# KiCad board ShinyAddOn_panel_2.kicad_pcb (continued)
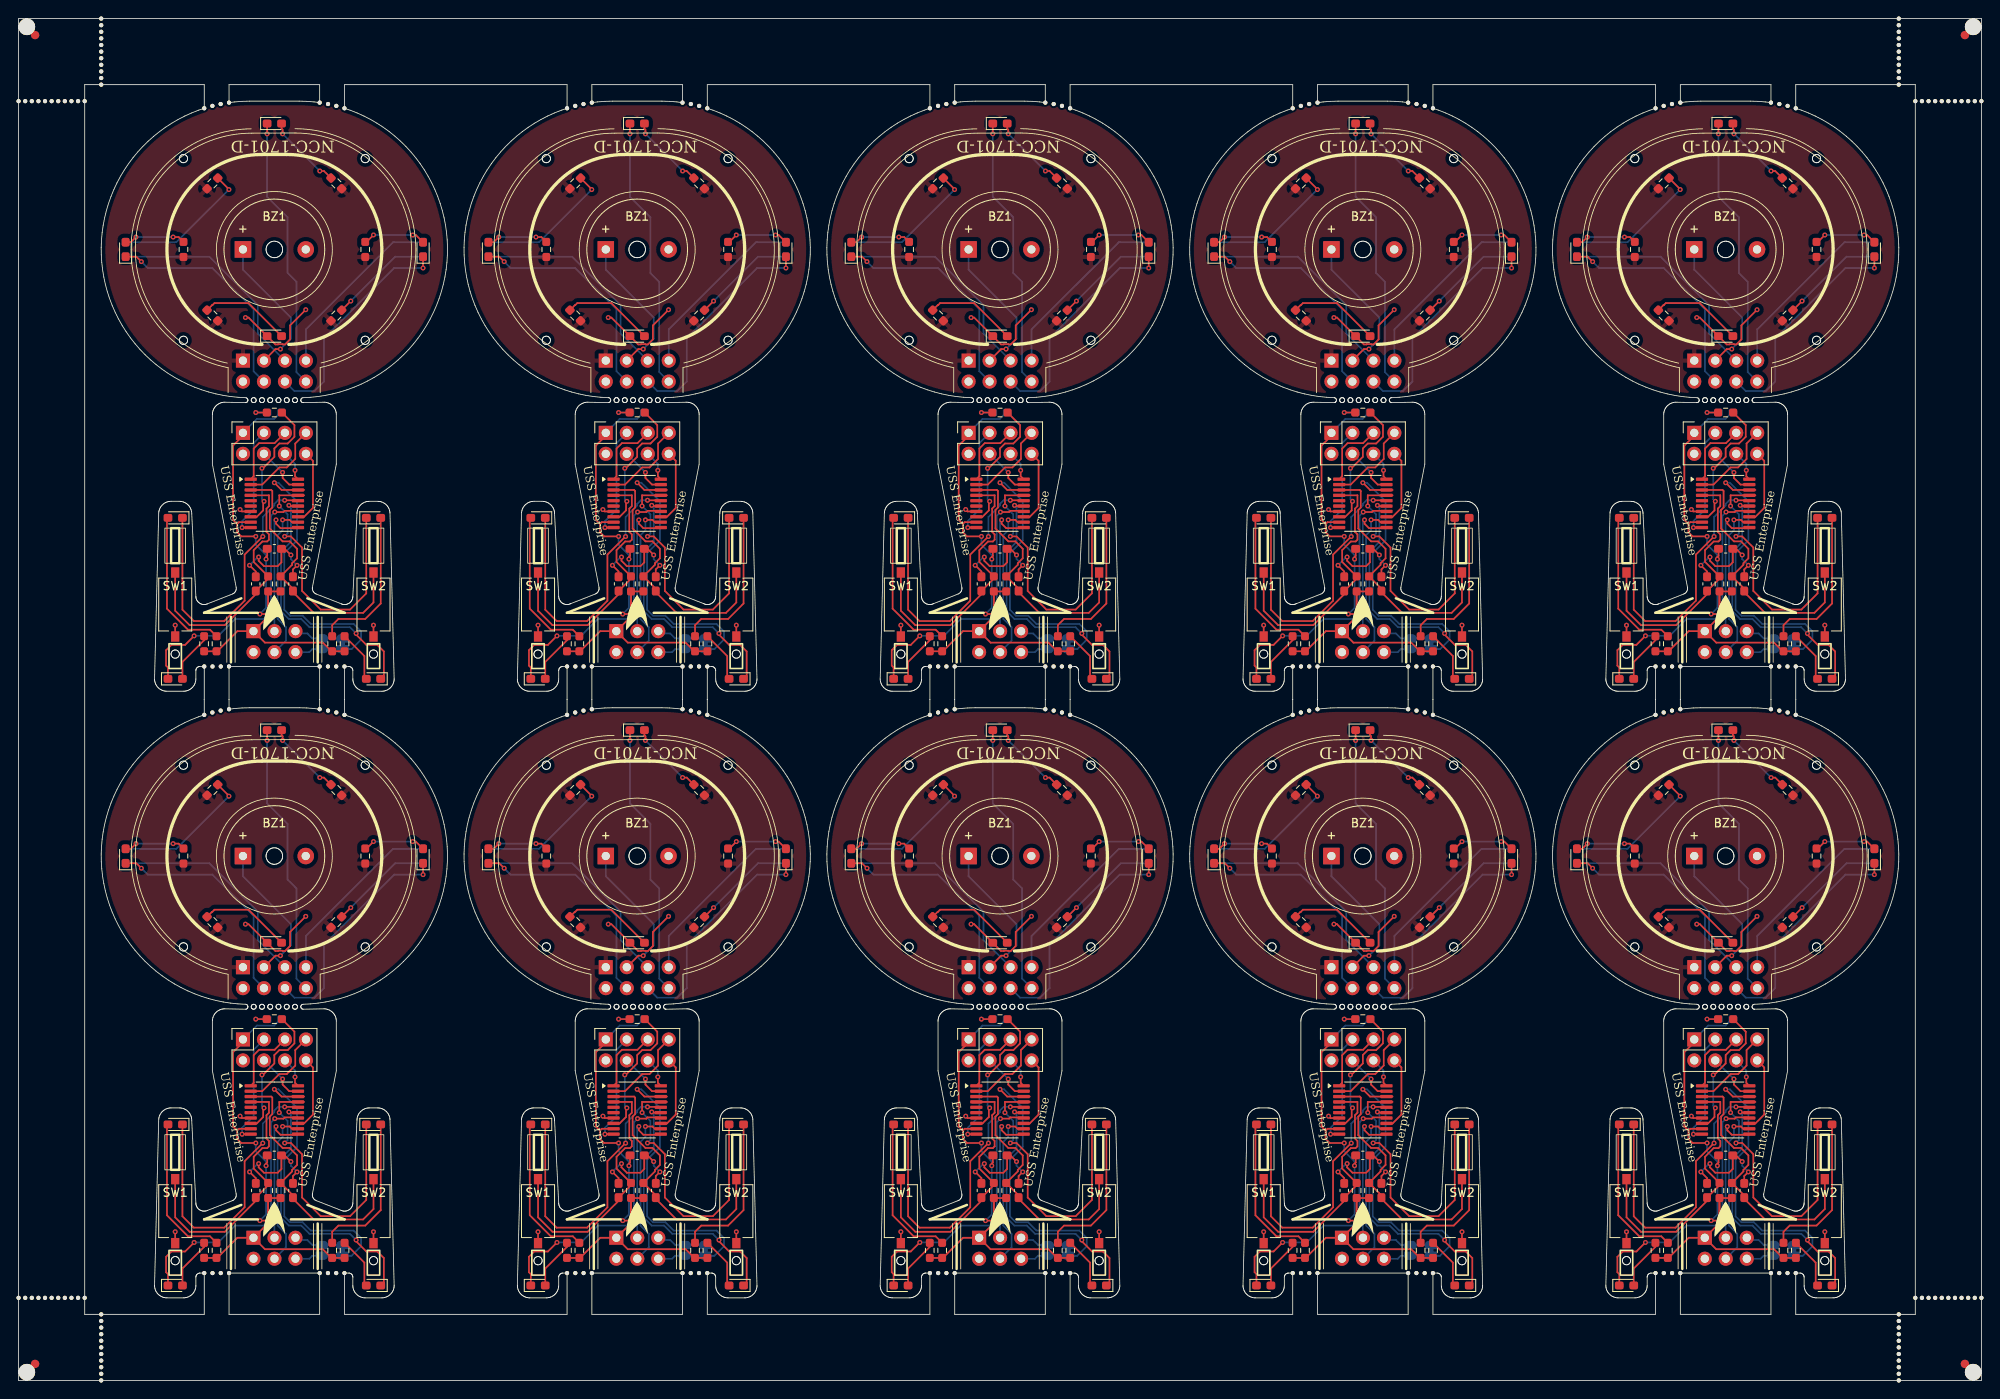
[diagram p0: board, top side]
## Nets (continued)
Board_3-/sw2: C2#2.1 R8#9.2 SW2.1 U1#3.3
Board_3-GND: BZ1#7.2 C1#4.2 C2#2.2 C3#2.2 D1#6.1 J1#2.2 J4#5.2 J5#4.2 SW1#2.2 SW2.2 U1#3.7
Board_3-Net-(D1-A): D1#6.2 R1#6.2
Board_3-Net-(D2-K): D2#6.1 R2#10.1
Board_3-Net-(D3-A): D3#7.2 R3#8.2
Board_3-Net-(D4-A): D4#2.2 R4#8.2
Board_3-Net-(D5-A): D5#6.2 R5#2.2
Board_3-Net-(D6-A): D6#5.2 R6#4.2
Board_3-Net-(D7-A): D7#5.2 R7#3.2
Board_3-Net-(D8-A): D8#4.2 R10#8.2
Board_3-Net-(D9-A): D9#9.2 R11#7.2
Board_3-Net-(D10-A): D10#4.2 R12#8.2
Board_3-Net-(D11-A): D11#4.2 R13#7.2
Board_3-Net-(JP1-B): JP1#10.2 U1#3.18
Board_3-Net-(U1-PD0): R2#10.2 U1#3.8
Board_3-unconnected-(U1-PA1-Pad5): U1#3.5
Board_3-unconnected-(U1-PA2-Pad6): U1#3.6
Board_3-VCC: C3#2.1 D2#6.2 J1#2.1 J4#5.1 J5#4.1 R1#6.1 R3#8.1 R4#8.1 R5#2.1 R6#4.1 R7#3.1 R8#9.1 R9#5.1 R10#8.1 R11#7.1 R12#8.1 R13#7.1 U1#3.9
Board_4-/blue gondeln left: D4#4.1 U1.14
Board_4-/blue gondeln right: D3#4.1 U1.15
Board_4-/blue_front: D5.1 J1#5.8 J4#10.8 U1.13
Board_4-/buzzer: BZ1.1 J1#5.3 J4#10.3 U1.10
Board_4-/GPIO1: J3#10.2 J5#7.5 JP1#3.1
Board_4-/GPIO2: J3#10.1 J5#7.6
Board_4-/LED dish bottom l: D10#10.1 J1#5.5 J4#10.5 U1.1
Board_4-/LED dish bottom r: D11#3.1 J1#5.7 J4#10.7 U1.2
Board_4-/LED dish top left: D8.1 J1#5.4 J4#10.4 U1.19
Board_4-/LED dish top right: D9#6.1 J1#5.6 J4#10.6 U1.20
Board_4-/red_gondeln_left: D6#8.1 U1.16
Board_4-/red_gondeln_right: D7#8.1 U1.17
Board_4-/SCL: J5#7.4 U1.12
Board_4-/SDA: J5#7.3 U1.11
Board_4-/sw1: C1.1 R9#7.2 SW1#4.1 U1.4
Board_4-/sw2: C2#6.1 R8#4.2 SW2#5.1 U1.3
Board_4-GND: BZ1.2 C1.2 C2#6.2 C3#3.2 D1#9.1 J1#5.2 J4#10.2 J5#7.2 SW1#4.2 SW2#5.2 U1.7
Board_4-Net-(D1-A): D1#9.2 R1#4.2
Board_4-Net-(D2-K): D2#5.1 R2#4.1
Board_4-Net-(D3-A): D3#4.2 R3#7.2
Board_4-Net-(D4-A): D4#4.2 R4#4.2
Board_4-Net-(D5-A): D5.2 R5#4.2
Board_4-Net-(D6-A): D6#8.2 R6#8.2
Board_4-Net-(D7-A): D7#8.2 R7#10.2
Board_4-Net-(D8-A): D8.2 R10#6.2
Board_4-Net-(D9-A): D9#6.2 R11#2.2
Board_4-Net-(D10-A): D10#10.2 R12#3.2
Board_4-Net-(D11-A): D11#3.2 R13#6.2
Board_4-Net-(JP1-B): JP1#3.2 U1.18
Board_4-Net-(U1-PD0): R2#4.2 U1.8
Board_4-unconnected-(U1-PA1-Pad5): U1.5
Board_4-unconnected-(U1-PA2-Pad6): U1.6
Board_4-VCC: C3#3.1 D2#5.2 J1#5.1 J4#10.1 J5#7.1 R1#4.1 R3#7.1 R4#4.1 R5#4.1 R6#8.1 R7#10.1 R8#4.1 R9#7.1 R10#6.1 R11#2.1 R12#3.1 R13#6.1 U1.9
Board_5-/blue gondeln left: D4#9.1 U1#9.14
Board_5-/blue gondeln right: D3#6.1 U1#9.15
Board_5-/blue_front: D5#4.1 J1#10.8 J4.8 U1#9.13
Board_5-/buzzer: BZ1#4.1 J1#10.3 J4.3 U1#9.10
Board_5-/GPIO1: J3#9.2 J5#8.5 JP1#6.1
Board_5-/GPIO2: J3#9.1 J5#8.6
Board_5-/LED dish bottom l: D10#2.1 J1#10.5 J4.5 U1#9.1
Board_5-/LED dish bottom r: D11#8.1 J1#10.7 J4.7 U1#9.2
Board_5-/LED dish top left: D8#5.1 J1#10.4 J4.4 U1#9.19
Board_5-/LED dish top right: D9#2.1 J1#10.6 J4.6 U1#9.20
Board_5-/red_gondeln_left: D6#3.1 U1#9.16
Board_5-/red_gondeln_right: D7#7.1 U1#9.17
Board_5-/SCL: J5#8.4 U1#9.12
Board_5-/SDA: J5#8.3 U1#9.11
Board_5-/sw1: C1#8.1 R9#6.2 SW1#10.1 U1#9.4
Board_5-/sw2: C2#8.1 R8#2.2 SW2#4.1 U1#9.3
Board_5-GND: BZ1#4.2 C1#8.2 C2#8.2 C3#10.2 D1#2.1 J1#10.2 J4.2 J5#8.2 SW1#10.2 SW2#4.2 U1#9.7
Board_5-Net-(D1-A): D1#2.2 R1#8.2
Board_5-Net-(D2-K): D2#3.1 R2#3.1
Board_5-Net-(D3-A): D3#6.2 R3.2
Board_5-Net-(D4-A): D4#9.2 R4#5.2
Board_5-Net-(D5-A): D5#4.2 R5#3.2
Board_5-Net-(D6-A): D6#3.2 R6#6.2
Board_5-Net-(D7-A): D7#7.2 R7#9.2
Board_5-Net-(D8-A): D8#5.2 R10#9.2
Board_5-Net-(D9-A): D9#2.2 R11#4.2
Board_5-Net-(D10-A): D10#2.2 R12#2.2
Board_5-Net-(D11-A): D11#8.2 R13#8.2
Board_5-Net-(JP1-B): JP1#6.2 U1#9.18
Board_5-Net-(U1-PD0): R2#3.2 U1#9.8
Board_5-unconnected-(U1-PA1-Pad5): U1#9.5
Board_5-unconnected-(U1-PA2-Pad6): U1#9.6
Board_5-VCC: C3#10.1 D2#3.2 J1#10.1 J4.1 J5#8.1 R1#8.1 R3.1 R4#5.1 R5#3.1 R6#6.1 R7#9.1 R8#2.1 R9#6.1 R10#9.1 R11#4.1 R12#2.1 R13#8.1 U1#9.9
Board_6-/blue gondeln left: D4#7.1 U1#7.14
Board_6-/blue gondeln right: D3#2.1 U1#7.15
Board_6-/blue_front: D5#10.1 J1#8.8 J4#9.8 U1#7.13
Board_6-/buzzer: BZ1#10.1 J1#8.3 J4#9.3 U1#7.10
Board_6-/GPIO1: J3#7.2 J5#2.5 JP1#7.1
Board_6-/GPIO2: J3#7.1 J5#2.6
Board_6-/LED dish bottom l: D10#5.1 J1#8.5 J4#9.5 U1#7.1
Board_6-/LED dish bottom r: D11#10.1 J1#8.7 J4#9.7 U1#7.2
Board_6-/LED dish top left: D8#6.1 J1#8.4 J4#9.4 U1#7.19
Board_6-/LED dish top right: D9#8.1 J1#8.6 J4#9.6 U1#7.20
Board_6-/red_gondeln_left: D6#2.1 U1#7.16
Board_6-/red_gondeln_right: D7#6.1 U1#7.17
Board_6-/SCL: J5#2.4 U1#7.12
Board_6-/SDA: J5#2.3 U1#7.11
Board_6-/sw1: C1#9.1 R9#2.2 SW1.1 U1#7.4
Board_6-/sw2: C2#10.1 R8.2 SW2#9.1 U1#7.3
Board_6-GND: BZ1#10.2 C1#9.2 C2#10.2 C3#5.2 D1#3.1 J1#8.2 J4#9.2 J5#2.2 SW1.2 SW2#9.2 U1#7.7
Board_6-Net-(D1-A): D1#3.2 R1#2.2
Board_6-Net-(D2-K): D2#2.1 R2.1
Board_6-Net-(D3-A): D3#2.2 R3#4.2
Board_6-Net-(D4-A): D4#7.2 R4#10.2
Board_6-Net-(D5-A): D5#10.2 R5.2
Board_6-Net-(D6-A): D6#2.2 R6.2
Board_6-Net-(D7-A): D7#6.2 R7#6.2
Board_6-Net-(D8-A): D8#6.2 R10#10.2
Board_6-Net-(D9-A): D9#8.2 R11.2
Board_6-Net-(D10-A): D10#5.2 R12#4.2
Board_6-Net-(D11-A): D11#10.2 R13#3.2
Board_6-Net-(JP1-B): JP1#7.2 U1#7.18
Board_6-Net-(U1-PD0): R2.2 U1#7.8
Board_6-unconnected-(U1-PA1-Pad5): U1#7.5
Board_6-unconnected-(U1-PA2-Pad6): U1#7.6
Board_6-VCC: C3#5.1 D2#2.2 J1#8.1 J4#9.1 J5#2.1 R1#2.1 R3#4.1 R4#10.1 R5.1 R6.1 R7#6.1 R8.1 R9#2.1 R10#10.1 R11.1 R12#4.1 R13#3.1 U1#7.9
Board_7-/blue gondeln left: D4.1 U1#8.14
Board_7-/blue gondeln right: D3#5.1 U1#8.15
Board_7-/blue_front: D5#9.1 J1#3.8 J4#4.8 U1#8.13
Board_7-/buzzer: BZ1#8.1 J1#3.3 J4#4.3 U1#8.10
Board_7-/GPIO1: J3#3.2 J5.5 JP1#5.1
Board_7-/GPIO2: J3#3.1 J5.6
Board_7-/LED dish bottom l: D10#8.1 J1#3.5 J4#4.5 U1#8.1
Board_7-/LED dish bottom r: D11#6.1 J1#3.7 J4#4.7 U1#8.2
Board_7-/LED dish top left: D8#8.1 J1#3.4 J4#4.4 U1#8.19
Board_7-/LED dish top right: D9#4.1 J1#3.6 J4#4.6 U1#8.20
Board_7-/red_gondeln_left: D6#7.1 U1#8.16
Board_7-/red_gondeln_right: D7#10.1 U1#8.17
Board_7-/SCL: J5.4 U1#8.12
Board_7-/SDA: J5.3 U1#8.11
Board_7-/sw1: C1#7.1 R9#4.2 SW1#6.1 U1#8.4
Board_7-/sw2: C2#7.1 R8#5.2 SW2#6.1 U1#8.3
Board_7-GND: BZ1#8.2 C1#7.2 C2#7.2 C3#4.2 D1#4.1 J1#3.2 J4#4.2 J5.2 SW1#6.2 SW2#6.2 U1#8.7
Board_7-Net-(D1-A): D1#4.2 R1#3.2
Board_7-Net-(D2-K): D2#9.1 R2#5.1
Board_7-Net-(D3-A): D3#5.2 R3#3.2
Board_7-Net-(D4-A): D4.2 R4#3.2
Board_7-Net-(D5-A): D5#9.2 R5#9.2
Board_7-Net-(D6-A): D6#7.2 R6#7.2
Board_7-Net-(D7-A): D7#10.2 R7#2.2
Board_7-Net-(D8-A): D8#8.2 R10#4.2
Board_7-Net-(D9-A): D9#4.2 R11#8.2
Board_7-Net-(D10-A): D10#8.2 R12#7.2
Board_7-Net-(D11-A): D11#6.2 R13#9.2
Board_7-Net-(JP1-B): JP1#5.2 U1#8.18
Board_7-Net-(U1-PD0): R2#5.2 U1#8.8
Board_7-unconnected-(U1-PA1-Pad5): U1#8.5
Board_7-unconnected-(U1-PA2-Pad6): U1#8.6
Board_7-VCC: C3#4.1 D2#9.2 J1#3.1 J4#4.1 J5.1 R1#3.1 R3#3.1 R4#3.1 R5#9.1 R6#7.1 R7#2.1 R8#5.1 R9#4.1 R10#4.1 R11#8.1 R12#7.1 R13#9.1 U1#8.9
Board_8-/blue gondeln left: D4#3.1 U1#10.14
Board_8-/blue gondeln right: D3#9.1 U1#10.15
Board_8-/blue_front: D5#3.1 J1.8 J4#2.8 U1#10.13
Board_8-/buzzer: BZ1#9.1 J1.3 J4#2.3 U1#10.10
Board_8-/GPIO1: J3#6.2 J5#10.5 JP1#4.1
Board_8-/GPIO2: J3#6.1 J5#10.6
Board_8-/LED dish bottom l: D10#6.1 J1.5 J4#2.5 U1#10.1
Board_8-/LED dish bottom r: D11#9.1 J1.7 J4#2.7 U1#10.2
Board_8-/LED dish top left: D8#7.1 J1.4 J4#2.4 U1#10.19
Board_8-/LED dish top right: D9.1 J1.6 J4#2.6 U1#10.20
Board_8-/red_gondeln_left: D6#6.1 U1#10.16
Board_8-/red_gondeln_right: D7#2.1 U1#10.17
Board_8-/SCL: J5#10.4 U1#10.12
Board_8-/SDA: J5#10.3 U1#10.11
Board_8-/sw1: C1#3.1 R9#3.2 SW1#7.1 U1#10.4
Board_8-/sw2: C2#4.1 R8#10.2 SW2#7.1 U1#10.3
Board_8-GND: BZ1#9.2 C1#3.2 C2#4.2 C3#8.2 D1#10.1 J1.2 J4#2.2 J5#10.2 SW1#7.2 SW2#7.2 U1#10.7
Board_8-Net-(D1-A): D1#10.2 R1#9.2
Board_8-Net-(D2-K): D2#10.1 R2#6.1
Board_8-Net-(D3-A): D3#9.2 R3#9.2
Board_8-Net-(D4-A): D4#3.2 R4#7.2
Board_8-Net-(D5-A): D5#3.2 R5#8.2
Board_8-Net-(D6-A): D6#6.2 R6#2.2
Board_8-Net-(D7-A): D7#2.2 R7#4.2
Board_8-Net-(D8-A): D8#7.2 R10.2
Board_8-Net-(D9-A): D9.2 R11#5.2
Board_8-Net-(D10-A): D10#6.2 R12#10.2
Board_8-Net-(D11-A): D11#9.2 R13.2
Board_8-Net-(JP1-B): JP1#4.2 U1#10.18
Board_8-Net-(U1-PD0): R2#6.2 U1#10.8
Board_8-unconnected-(U1-PA1-Pad5): U1#10.5
Board_8-unconnected-(U1-PA2-Pad6): U1#10.6
Board_8-VCC: C3#8.1 D2#10.2 J1.1 J4#2.1 J5#10.1 R1#9.1 R3#9.1 R4#7.1 R5#8.1 R6#2.1 R7#4.1 R8#10.1 R9#3.1 R10.1 R11#5.1 R12#10.1 R13.1 U1#10.9
Board_9-/blue gondeln left: D4#8.1 U1#4.14
Board_9-/blue gondeln right: D3#8.1 U1#4.15
Board_9-/blue_front: D5#7.1 J1#9.8 J4#3.8 U1#4.13
Board_9-/buzzer: BZ1#5.1 J1#9.3 J4#3.3 U1#4.10
Board_9-/GPIO1: J3#8.2 J5#3.5 JP1.1
Board_9-/GPIO2: J3#8.1 J5#3.6
Board_9-/LED dish bottom l: D10.1 J1#9.5 J4#3.5 U1#4.1
Board_9-/LED dish bottom r: D11#2.1 J1#9.7 J4#3.7 U1#4.2
Board_9-/LED dish top left: D8#9.1 J1#9.4 J4#3.4 U1#4.19
Board_9-/LED dish top right: D9#3.1 J1#9.6 J4#3.6 U1#4.20
Board_9-/red_gondeln_left: D6#9.1 U1#4.16
Board_9-/red_gondeln_right: D7#4.1 U1#4.17
Board_9-/SCL: J5#3.4 U1#4.12
Board_9-/SDA: J5#3.3 U1#4.11
Board_9-/sw1: C1#5.1 R9#9.2 SW1#3.1 U1#4.4
Board_9-/sw2: C2#5.1 R8#7.2 SW2#2.1 U1#4.3
Board_9-GND: BZ1#5.2 C1#5.2 C2#5.2 C3#7.2 D1#8.1 J1#9.2 J4#3.2 J5#3.2 SW1#3.2 SW2#2.2 U1#4.7
Board_9-Net-(D1-A): D1#8.2 R1#10.2
Board_9-Net-(D2-K): D2#8.1 R2#2.1
Board_9-Net-(D3-A): D3#8.2 R3#10.2
Board_9-Net-(D4-A): D4#8.2 R4.2
Board_9-Net-(D5-A): D5#7.2 R5#5.2
Board_9-Net-(D6-A): D6#9.2 R6#3.2
Board_9-Net-(D7-A): D7#4.2 R7#5.2
Board_9-Net-(D8-A): D8#9.2 R10#2.2
Board_9-Net-(D9-A): D9#3.2 R11#3.2
Board_9-Net-(D10-A): D10.2 R12#6.2
Board_9-Net-(D11-A): D11#2.2 R13#5.2
Board_9-Net-(JP1-B): JP1.2 U1#4.18
Board_9-Net-(U1-PD0): R2#2.2 U1#4.8
Board_9-unconnected-(U1-PA1-Pad5): U1#4.5
Board_9-unconnected-(U1-PA2-Pad6): U1#4.6
Board_9-VCC: C3#7.1 D2#8.2 J1#9.1 J4#3.1 J5#3.1 R1#10.1 R3#10.1 R4.1 R5#5.1 R6#3.1 R7#5.1 R8#7.1 R9#9.1 R10#2.1 R11#3.1 R12#6.1 R13#5.1 U1#4.9

## Via types
v1: diameter 0.6, hole 0.3, Top to Bottom, 410 vias

## Routing (per net, layer and track width the routed paths; a pad name or vN(x,y) marks a point on that pad's centre or on a via; arc(x,y) is an arc through that point)
Board_0-/blue gondeln left: length 33.4
  Top w0.2: D4#6.1 18.08,86.33 17.85,86.56 17.85,88.43 18.5,89.07 20.15,89.07 v1(21.25,90.17) ; v1(31,105.16) 32.06,105.16 32.21,105.31 33.74,105.31 U1#2.14
  Bottom w0.2: v1(21.25,90.17) 24.16,90.17 26.21,92.21 29.71,92.21 30.56,93.06 30.56,104.71 v1(31,105.16)
Board_0-/blue gondeln right: length 32.6
  Top w0.2: v1(40.86,90.46) 40.86,90.31 42.09,89.07 43.41,89.07 44.21,88.28 44.21,85.33 D3.1 ; v1(32.72,105.97) 32.8,105.88 U1#2.15
  Bottom w0.2: v1(40.86,90.46) 40.11,91.21 35.21,91.21 34.21,92.21 32.71,92.21 31.76,93.16 31.76,100.34 32.96,101.54 32.96,105.73 v1(32.72,105.97)
Board_0-/blue_front: length 42.5
  Top w0.2: D5#2.1 30.08,150.83 ; U1#2.13 34.56,104.58 35.63,105.65 35.63,111.36 J4#8.8
  Bottom w0.2: v1(30.08,150.96) 30.08,143.33 32.56,140.86 32.56,134.11 33.63,133.04 33.63,122.11 J1#7.8
Board_0-/buzzer: length 31.2
  Top w0.2: v1(31.69,124.89) 31.09,124.89 J1#7.3 ; U1#2.10 28.08,103.27 v1(27.06,103.27)
  Bottom w0.2: J4#8.3 28.46,113.51 28.46,105.46 27.06,104.06 v1(27.06,103.27) ; v1(31.69,124.89) 32.96,126.16 32.96,128.71 27.16,134.51 BZ1#3.1
Board_0-/GPIO1: length 5.3
  Bottom w0.2: J5#5.5 33.79,90.46 34.96,90.46 35.56,89.86 35.96,89.86 ; JP1#8.1 J3#4.2
Board_0-/GPIO2: length 3.1
  Top w0.2: 33.88,88.56 J5#5.6
  Bottom w0.2: 35.96,88.56 35.56,88.56 35.19,88.19 J5#5.6
Board_0-/LED dish bottom l: length 34.9
  Top w0.2: U1#2.1 28.46,109.49 28.46,112.85 29.11,113.5 30.99,113.5 J4#8.5
  Bottom w0.2: D10#7.1 23.08,136.08 28.96,130.21 28.96,126.78 J1#7.5
Board_0-/LED dish bottom r: length 32.7
  Top w0.2: U1#2.2 29.48,108.48 31.56,110.56 32.46,110.56 33.49,111.59 33.49,113.46 J4#8.7
  Bottom w0.2: D11.1 45.33,137.83 34.78,127.28 J1#7.7
Board_0-/LED dish top left: length 33.5
  Top w0.2: v1(31.96,109.96) 31.96,109.28 32.76,108.48 U1#2.19 ; v1(14.86,135.48) 14.26,136.08 D8#2.1
  Bottom w0.2: v1(14.86,135.48) 15.63,134.71 23.46,134.71 28.45,129.72 28.45,122.21 J1#7.4 ; v1(31.96,109.96) 29.71,112.21 J4#8.4
Board_0-/LED dish top right: length 32.1
  Top w0.2: 32.47,111.7 32.47,112.21 ; D9#10.1 v1(48.96,134.71) ; v1(33.46,110.21) 33.46,109.49 U1#2.20
  Bottom w0.2: v1(48.96,134.71) 45.46,134.71 36.96,126.21 36.96,120.96 35.81,119.81 33.39,119.81 J1#7.6 ; v1(33.46,110.21) 33.46,110.99 J4#8.6
Board_0-/red_gondeln_left: length 36.5
  Top w0.2: D6#4.1 19.83,93.33 21.21,91.96 24.89,91.96 27.36,94.42 27.36,100.01 29.54,102.19 v1(29.56,102.19) ; v1(32.21,106.58) 33.77,106.58 U1#2.16
  Bottom w0.2: v1(29.56,102.19) 29.56,104.56 30.95,105.95 30.95,106.14 31.4,106.58 v1(32.21,106.58)
Board_0-/red_gondeln_right: length 35.9
  Top w0.2: v1(32.21,102.21) 32.96,102.21 34.31,100.86 34.31,95.61 36.56,93.35 40.12,93.35 42.08,95.31 D7#3.1 ; 33.08,107.18 U1#2.17 ; U1#2.17 31.55,107.18 v1(31.55,105.89) ; U1#2.17 34.56,107.18
  Bottom w0.2: v1(32.21,102.21) 32.56,102.56 32.56,104.88 v1(31.55,105.89)
Board_0-/SCL: length 19.2
  Top w0.2: U1#2.12 33.08,103.93 32.81,104.21 v1(31.96,104.21)
  Bottom w0.2: J5#5.4 32.36,89.58 32.36,91.21 31.36,92.21 31.36,102.35 31.96,102.95 v1(31.96,104.21)
Board_0-/SDA: length 17.6
  Top w0.2: U1#2.11 33.74,103.21 31.7,103.21 31.16,103.75 v1(31.16,104.21)
  Bottom w0.2: 30.47,91.23 J5#5.3 30.96,90.75 30.96,104.01 v1(31.16,104.21)
Board_0-/sw1: length 33.5
  Top w0.2: SW1#5.1 18.96,93.21 20.71,91.46 24.96,91.46 28.71,95.21 C1#10.1 30.21,97.09 R9#10.2 28.46,99.12 28.46,100.54 29.5,101.59 30.09,101.59 30.31,101.81 30.31,102.46 30,102.76 30,105.57 30.31,105.87 30.31,107.18 U1#2.4
Board_0-/sw2: length 33.3
  Top w0.2: U1#2.3 30.58,107.83 30.71,107.71 30.71,105.71 30.4,105.41 30.4,103.16 31.96,101.61 32.81,101.61 33.71,100.71 33.71,99.56 33.11,98.96 33.11,98.77 R8#6.2 33.21,95.87 C2#3.1 33.21,95.46 35.71,92.95 41.7,92.95 42.96,94.21 SW2#10.1
Board_0-GND: length 29.2
  Top w0.2: C3.2 32.21,100.71 v1(32.96,99.96) ; C3.2 32.21,100.32 ; C3.2 31.82,99.07 31.36,98.61 29.71,98.61 29.06,99.26 v1(29.06,99.71) ; v1(27.96,98.71) 28.71,97.96 C1#10.2 ; v1(26.81,105.46) 27.03,105.23 U1#2.7 ; v1(42.96,91.46) SW2#10.2 ; v1(27.46,128.71) 27.83,128.71 D1.1 31.08,125.46 31.41,125.46 31.44,125.49 31.94,125.49 31.97,125.46 32.26,125.46 32.86,126.06 32.86,127.76 v1(34.76,129.66) ; v1(33.71,98.71) 33.21,98.21 C2#3.2 ; v1(18.96,91.46) SW1#5.2
  Bottom w0.2: v1(32.96,99.96) 32.96,99.46 v1(33.71,98.71) ; v1(27.96,98.71) 28.96,99.71 v1(29.06,99.71)
Board_0-Net-(D1-A): length 11
  Top w0.2: R1#5.2 23.41,130.21 23.46,130.21 23.71,130.46 27.83,130.46 D1.2
Board_0-Net-(D2-K): length 2.7
  Top w0.2: R2#9.1 v1(28.71,117.21)
  Bottom w0.2: v1(28.71,117.21) D2#4.1
Board_0-Net-(D3-A): length 6.2
  Top w0.2: D3.2 41.85,85.18 41.85,87.72 R3#6.2
Board_0-Net-(D4-A): length 6.2
  Top w0.2: R4#9.2 22.46,89.63 19.83,87.01 D4#6.2
Board_0-Net-(D5-A): length 9.4
  Top w0.2: v1(36.46,146.46) 36.96,146.46 R5#7.2 ; v1(31.96,150.96) 31.96,151.46 31.83,151.58 D5#2.2
  Bottom w0.2: v1(31.96,150.96) v1(36.46,146.46)
Board_0-Net-(D6-A): length 18.4
  Top w0.2: 18.16,104.38 17.96,104.18 17.96,93.46 20.51,90.91 23.17,90.91 R6#10.2
Board_0-Net-(D7-A): length 18.7
  Top w0.2: R7.2 37.96,91.46 38.71,92.21 41.96,92.21 43.83,94.08 D7#3.2
Board_0-Net-(D8-A): length 7.6
  Top w0.2: v1(14.21,138.46) 13.58,137.83 D8#2.2 ; v1(18.71,138.46) 19.37,138.46 R10#3.2 19.92,137.83
  Bottom w0.2: v1(14.21,138.46) v1(18.71,138.46)
Board_0-Net-(D9-A): length 7.8
  Top w0.2: D9#10.2 48.08,138.71 v1(47.71,138.71) ; 41.99,137.83 R11#9.2 42.12,137.87 v1(42.96,138.71)
  Bottom w0.2: v1(42.96,138.71) v1(47.71,138.71)
Board_0-Net-(D10-A): length 17.1
  Top w0.2: v1(25.46,144.21) 25.46,144.25 R12#9.2
  Bottom w0.2: v1(25.46,144.21) 19.08,137.83 D10#7.2
Board_0-Net-(D11-A): length 12.5
  Top w0.2: R13#4.2 v1(40.21,130.71)
  Bottom w0.2: v1(40.21,130.71) 45.58,136.08 D11.2
Board_0-Net-(JP1-B): length 37.2
  Top w0.2: U1#2.18 34.56,107.83 ; U1#2.18 31.83,107.83 v1(30.96,108.71) ; U1#2.18 33.08,107.83
  Bottom w0.2: v1(30.96,108.71) 31.46,108.71 33.71,106.46 33.71,101.73 32.16,100.18 32.16,93.32 32.87,92.61 34.37,92.61 35.37,91.61 40.56,91.61 41.46,90.71 41.46,89.71 40.31,88.56 JP1#8.2 40.15,88.56
Board_0-Net-(U1-PD0): length 16.7
  Top w0.2: v1(29.71,106.46) 29.6,106.36 29.6,105.36 28.83,104.58 U1#2.8 ; v1(29.46,110.46) 29.57,110.46 30.96,111.84 30.96,112.86 31.56,113.46 32.57,113.46 33.39,114.27 33.39,115.69 R2#9.2
  Bottom w0.2: v1(29.71,106.46) 29.46,106.71 v1(29.46,110.46)
Board_0-VCC: length 64.3
  Top w0.2: U1#2.9 26.68,103.93 26.46,103.71 ; R4#9.1 R6#10.1 24.04,88.29 26.48,90.73 J5#5.1 ; J5#5.1 29.82,89.34 36.82,89.34 37.87,88.29 R7.1 R3#6.1 ; J5#5.1 30.21,92.51 R9#10.1 ; 26.46,103.71 26.46,102.71 26.96,102.21 v1(28.71,102.21) ; 26.46,103.71 25.96,104.21 25.96,113.21 26.71,113.96 26.71,114.21 27.25,114.75 ; R9#10.1 30.21,92.81 v1(29.21,92.81) ; R9#10.1 31.96,95.54 ; v1(29.96,99.46) 29.96,99.71 30.09,99.84 C3.1
  Bottom w0.2: D2#4.2 31.71,117.21 30.93,116.43 28.84,116.43 J4#8.1 ; v1(29.21,92.81) 29.96,93.56 v1(29.96,99.46) 29.96,99.96 28.71,101.21 v1(28.71,102.21)
Board_1-/blue gondeln left: length 33.4
  Top w0.2: U1#5.14 77.66,105.31 76.12,105.31 75.97,105.16 v1(74.92,105.16) ; D4#5.1 61.99,86.33 61.77,86.56 61.77,88.43 62.41,89.07 64.07,89.07 v1(65.16,90.17)
  Bottom w0.2: v1(74.92,105.16) 74.47,104.71 74.47,93.06 73.62,92.21 70.12,92.21 68.08,90.17 v1(65.16,90.17)
Board_1-/blue gondeln right: length 32.6
  Top w0.2: U1#5.15 76.72,105.88 v1(76.63,105.97) ; v1(84.77,90.46) 84.77,90.31 86.01,89.07 87.33,89.07 88.12,88.28 88.12,85.33 D3#3.1
  Bottom w0.2: v1(76.63,105.97) 76.87,105.73 76.87,101.54 75.67,100.34 75.67,93.16 76.62,92.21 78.12,92.21 79.12,91.21 84.02,91.21 v1(84.77,90.46)
Board_1-/blue_front: length 42.5
  Top w0.2: U1#5.13 78.47,104.58 79.54,105.65 79.54,111.36 J4#6.8 ; D5#8.1 73.99,150.83
  Bottom w0.2: J1#6.8 77.54,122.11 77.54,133.04 76.47,134.11 76.47,140.86 73.99,143.33 v1(73.99,150.96)
Board_1-/buzzer: length 31.2
  Top w0.2: v1(75.6,124.89) 75,124.89 J1#6.3 ; v1(70.97,103.27) 72,103.27 U1#5.10
  Bottom w0.2: v1(70.97,103.27) 70.97,104.06 72.37,105.46 72.37,113.51 J4#6.3 ; BZ1#2.1 71.07,134.51 76.87,128.71 76.87,126.16 v1(75.6,124.89)
Board_1-/GPIO1: length 5.3
  Bottom w0.2: JP1#2.1 J3#5.2 ; 79.87,89.86 79.47,89.86 78.87,90.46 77.7,90.46 J5#9.5
Board_1-/GPIO2: length 3.1
  Top w0.2: 77.79,88.56 J5#9.6
  Bottom w0.2: J5#9.6 79.1,88.19 79.47,88.56 79.87,88.56
Board_1-/LED dish bottom l: length 34.9
  Top w0.2: U1#5.1 72.37,109.49 72.37,112.85 73.02,113.5 74.9,113.5 J4#6.5
  Bottom w0.2: D10#3.1 66.99,136.08 72.87,130.21 72.87,126.78 J1#6.5
Board_1-/LED dish bottom r: length 32.7
  Top w0.2: J4#6.7 77.4,113.46 77.4,111.59 76.37,110.56 75.47,110.56 73.39,108.48 U1#5.2
  Bottom w0.2: D11#5.1 89.24,137.83 78.69,127.28 J1#6.7
Board_1-/LED dish top left: length 33.5
  Top w0.2: D8#10.1 58.17,136.08 v1(58.77,135.48) ; v1(75.87,109.96) 75.87,109.28 76.67,108.48 U1#5.19
  Bottom w0.2: v1(58.77,135.48) 59.54,134.71 67.37,134.71 72.36,129.72 72.36,122.21 J1#6.4 ; v1(75.87,109.96) 73.62,112.21 J4#6.4
Board_1-/LED dish top right: length 32.1
  Top w0.2: U1#5.20 77.37,109.49 v1(77.37,110.21) ; 76.38,111.7 76.38,112.21 ; D9#7.1 v1(92.87,134.71)
  Bottom w0.2: v1(92.87,134.71) 89.37,134.71 80.87,126.21 80.87,120.96 79.72,119.81 77.3,119.81 J1#6.6 ; J4#6.6 77.37,110.99 v1(77.37,110.21)
Board_1-/red_gondeln_left: length 36.5
  Top w0.2: D6#10.1 63.74,93.33 65.12,91.96 68.8,91.96 71.27,94.42 71.27,100.01 73.45,102.19 v1(73.47,102.19) ; U1#5.16 77.68,106.58 v1(76.12,106.58)
  Bottom w0.2: v1(73.47,102.19) 73.47,104.56 74.87,105.95 74.87,106.14 75.31,106.58 v1(76.12,106.58)
Board_1-/red_gondeln_right: length 35.9
  Top w0.2: v1(75.47,105.89) 75.47,107.18 U1#5.17 ; U1#5.17 78.47,107.18 ; U1#5.17 76.99,107.18 ; v1(76.12,102.21) 76.87,102.21 78.22,100.86 78.22,95.61 80.48,93.35 84.03,93.35 85.99,95.31 D7.1
  Bottom w0.2: v1(76.12,102.21) 76.47,102.56 76.47,104.88 v1(75.47,105.89)
Board_1-/SCL: length 19.2
  Top w0.2: U1#5.12 76.99,103.93 76.72,104.21 v1(75.87,104.21)
  Bottom w0.2: v1(75.87,104.21) 75.87,102.95 75.27,102.35 75.27,92.21 76.27,91.21 76.27,89.58 J5#9.4
Board_1-/SDA: length 17.6
  Top w0.2: v1(75.07,104.21) 75.07,103.75 75.61,103.21 77.66,103.21 U1#5.11
  Bottom w0.2: 74.39,91.23 J5#9.3 74.87,90.75 74.87,104.01 v1(75.07,104.21)
Board_1-/sw1: length 33.5
  Top w0.2: U1#5.4 74.22,107.18 74.22,105.87 73.92,105.57 73.92,102.76 74.22,102.46 74.22,101.81 74,101.59 73.42,101.59 72.37,100.54 72.37,99.12 R9#8.2 74.12,97.09 C1#2.1 72.62,95.21 68.87,91.46 64.62,91.46 62.87,93.21 SW1#9.1
Board_1-/sw2: length 33.3
  Top w0.2: SW2#8.1 86.87,94.21 85.61,92.95 79.63,92.95 77.12,95.46 C2#9.1 77.12,95.87 R8#3.2 77.02,98.77 77.02,98.96 77.62,99.56 77.62,100.71 76.72,101.61 75.87,101.61 74.32,103.16 74.32,105.41 74.62,105.71 74.62,107.71 74.49,107.83 U1#5.3
Board_1-GND: length 29.2
  Top w0.2: 76.12,100.32 C3#9.2 ; C3#9.2 76.12,100.71 v1(76.87,99.96) ; C3#9.2 75.73,99.07 75.27,98.61 73.62,98.61 72.97,99.26 v1(72.97,99.71) ; v1(78.67,129.66) 76.77,127.76 76.77,126.06 76.17,125.46 75.89,125.46 75.85,125.49 75.35,125.49 75.32,125.46 74.99,125.46 D1#5.1 71.74,128.71 v1(71.37,128.71) ; v1(86.87,91.46) SW2#8.2 ; v1(77.62,98.71) 77.12,98.21 C2#9.2 ; C1#2.2 72.62,97.96 v1(71.87,98.71) ; v1(62.87,91.46) SW1#9.2 ; v1(70.72,105.46) 70.94,105.23 U1#5.7
  Bottom w0.2: v1(72.97,99.71) 72.87,99.71 v1(71.87,98.71) ; v1(76.87,99.96) 76.87,99.46 v1(77.62,98.71)
Board_1-Net-(D1-A): length 11
  Top w0.2: D1#5.2 71.74,130.46 67.62,130.46 67.37,130.21 67.33,130.21 R1#7.2
Board_1-Net-(D2-K): length 2.7
  Top w0.2: R2#8.1 v1(72.62,117.21)
  Bottom w0.2: v1(72.62,117.21) D2#7.1
Board_1-Net-(D3-A): length 6.2
  Top w0.2: R3#2.2 85.77,87.72 85.77,85.18 D3#3.2
Board_1-Net-(D4-A): length 6.2
  Top w0.2: D4#5.2 63.74,87.01 66.37,89.63 R4#2.2
Board_1-Net-(D5-A): length 9.4
  Top w0.2: R5#10.2 80.87,146.46 v1(80.37,146.46) ; v1(75.87,150.96) 75.87,151.46 75.74,151.58 D5#8.2
  Bottom w0.2: v1(75.87,150.96) v1(80.37,146.46)
Board_1-Net-(D6-A): length 18.4
  Top w0.2: R6#5.2 67.08,90.91 64.42,90.91 61.87,93.46 61.87,104.18 62.07,104.38
Board_1-Net-(D7-A): length 18.7
  Top w0.2: R7#7.2 81.87,91.46 82.62,92.21 85.87,92.21 87.74,94.08 D7.2
Board_1-Net-(D8-A): length 7.6
  Top w0.2: D8#10.2 57.49,137.83 v1(58.12,138.46) ; v1(62.62,138.46) 63.28,138.46 R10#5.2 63.83,137.83
  Bottom w0.2: v1(58.12,138.46) v1(62.62,138.46)
Board_1-Net-(D9-A): length 7.8
  Top w0.2: D9#7.2 91.99,138.71 v1(91.62,138.71) ; 85.91,137.83 R11#6.2 86.03,137.87 v1(86.87,138.71)
  Bottom w0.2: v1(86.87,138.71) v1(91.62,138.71)
Board_1-Net-(D10-A): length 17.1
  Top w0.2: R12#5.2 69.37,144.25 v1(69.37,144.21)
  Bottom w0.2: v1(69.37,144.21) 62.99,137.83 D10#3.2
Board_1-Net-(D11-A): length 12.5
  Top w0.2: R13#10.2 v1(84.12,130.71)
  Bottom w0.2: D11#5.2 89.49,136.08 v1(84.12,130.71)
Board_1-Net-(JP1-B): length 37.2
  Top w0.2: U1#5.18 75.74,107.83 v1(74.87,108.71) ; U1#5.18 78.47,107.83 ; U1#5.18 76.99,107.83
  Bottom w0.2: v1(74.87,108.71) 75.37,108.71 77.62,106.46 77.62,101.73 76.07,100.18 76.07,93.32 76.78,92.61 78.28,92.61 79.28,91.61 84.47,91.61 85.37,90.71 85.37,89.71 84.22,88.56 JP1#2.2 84.07,88.56
Board_1-Net-(U1-PD0): length 16.7
  Top w0.2: v1(73.37,110.46) 73.49,110.46 74.87,111.84 74.87,112.86 75.47,113.46 76.49,113.46 77.3,114.27 77.3,115.69 R2#8.2 ; v1(73.62,106.46) 73.52,106.36 73.52,105.36 72.74,104.58 U1#5.8
  Bottom w0.2: v1(73.37,110.46) 73.37,106.71 v1(73.62,106.46)
Board_1-VCC: length 64.3
  Top w0.2: J5#9.1 70.39,90.73 67.96,88.29 R6#5.1 R4#2.1 ; J5#9.1 74.12,92.51 R9#8.1 ; J5#9.1 73.73,89.34 80.73,89.34 81.78,88.29 R7#7.1 R3#2.1 ; C3#9.1 74.01,99.84 73.87,99.71 v1(73.87,99.46) ; U1#5.9 70.59,103.93 70.37,103.71 ; 71.16,114.75 70.62,114.21 70.62,113.96 69.87,113.21 69.87,104.21 70.37,103.71 ; 70.37,103.71 70.37,102.71 70.87,102.21 v1(72.62,102.21) ; R9#8.1 74.12,92.81 v1(73.12,92.81) ; R9#8.1 75.87,95.54
  Bottom w0.2: J4#6.1 72.75,116.43 74.84,116.43 75.62,117.21 D2#7.2 ; v1(72.62,102.21) 72.62,101.21 73.87,99.96 v1(73.87,99.46) 73.87,93.56 v1(73.12,92.81)
Board_2-/blue gondeln left: length 33.4
  Top w0.2: U1#6.14 121.57,105.31 120.03,105.31 119.89,105.16 v1(118.83,105.16) ; D4#10.1 105.91,86.33 105.68,86.56 105.68,88.43 106.33,89.07 107.98,89.07 v1(109.07,90.17)
  Bottom w0.2: v1(109.07,90.17) 111.99,90.17 114.03,92.21 117.53,92.21 118.38,93.06 118.38,104.71 v1(118.83,105.16)
Board_2-/blue gondeln right: length 32.6
  Top w0.2: v1(120.55,105.97) 120.63,105.88 U1#6.15 ; D3#10.1 132.03,85.33 132.03,88.28 131.24,89.07 129.92,89.07 128.68,90.31 v1(128.68,90.46)
  Bottom w0.2: v1(120.55,105.97) 120.78,105.73 120.78,101.54 119.58,100.34 119.58,93.16 120.53,92.21 122.03,92.21 123.03,91.21 127.93,91.21 v1(128.68,90.46)
Board_2-/blue_front: length 42.5
  Top w0.2: D5#5.1 117.91,150.83 ; U1#6.13 122.38,104.58 123.45,105.65 123.45,111.36 J4#7.8
  Bottom w0.2: v1(117.91,150.96) 117.91,143.33 120.38,140.86 120.38,134.11 121.45,133.04 121.45,122.11 J1#4.8
Board_2-/buzzer: length 31.2
  Top w0.2: J1#4.3 118.92,124.89 v1(119.52,124.89) ; v1(114.88,103.27) 115.91,103.27 U1#6.10
  Bottom w0.2: J4#7.3 116.28,113.51 116.28,105.46 114.88,104.06 v1(114.88,103.27) ; v1(119.52,124.89) 120.78,126.16 120.78,128.71 114.98,134.51 BZ1#6.1